# Altium PCB FluidGuard(TX).PcbDoc (part 1 of 2)
Units mm, origin at the board's own origin, x right, y up, seen from the top; angles counter-clockwise.
Board outline 60.05 x 100.05 mm, 4 copper layers (Top Layer, Mid Layer 1(GND), Mid Layer 2(GND), Bottom Layer), stack 1.586 mm thick; 109 components, 75 nets, 438 pads, 274 vias.
Unrouted connection lines stored in the file: 14.
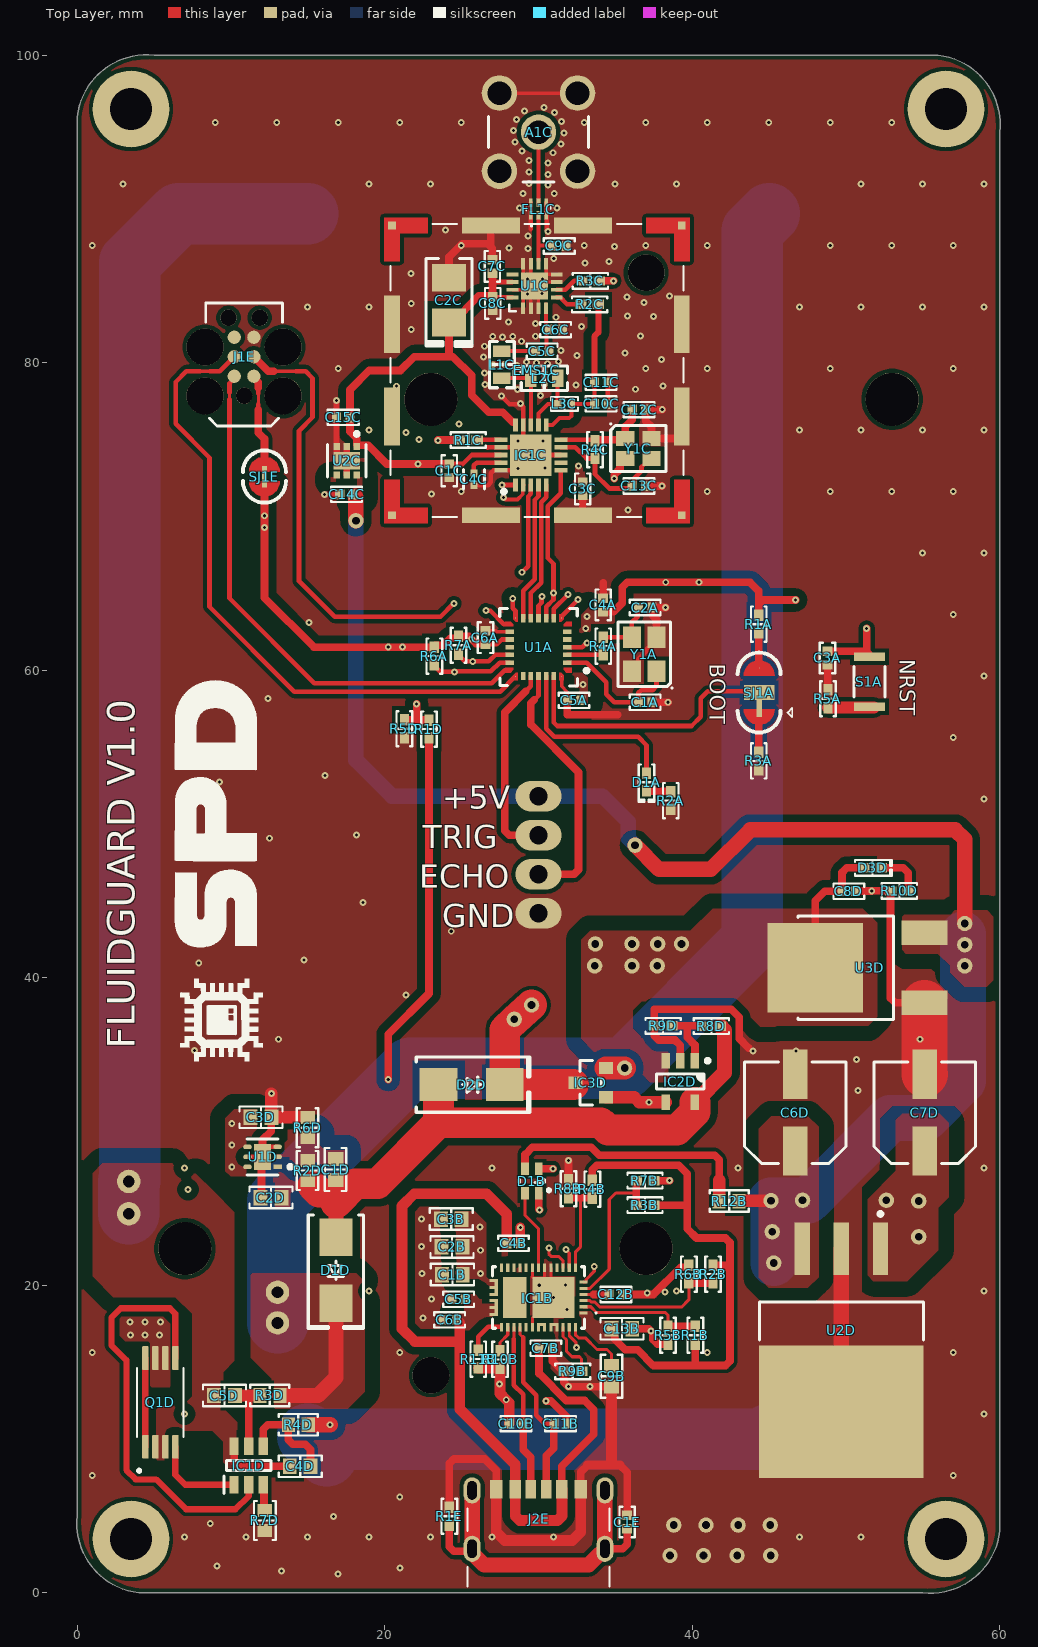
[diagram p0: Top Layer view]
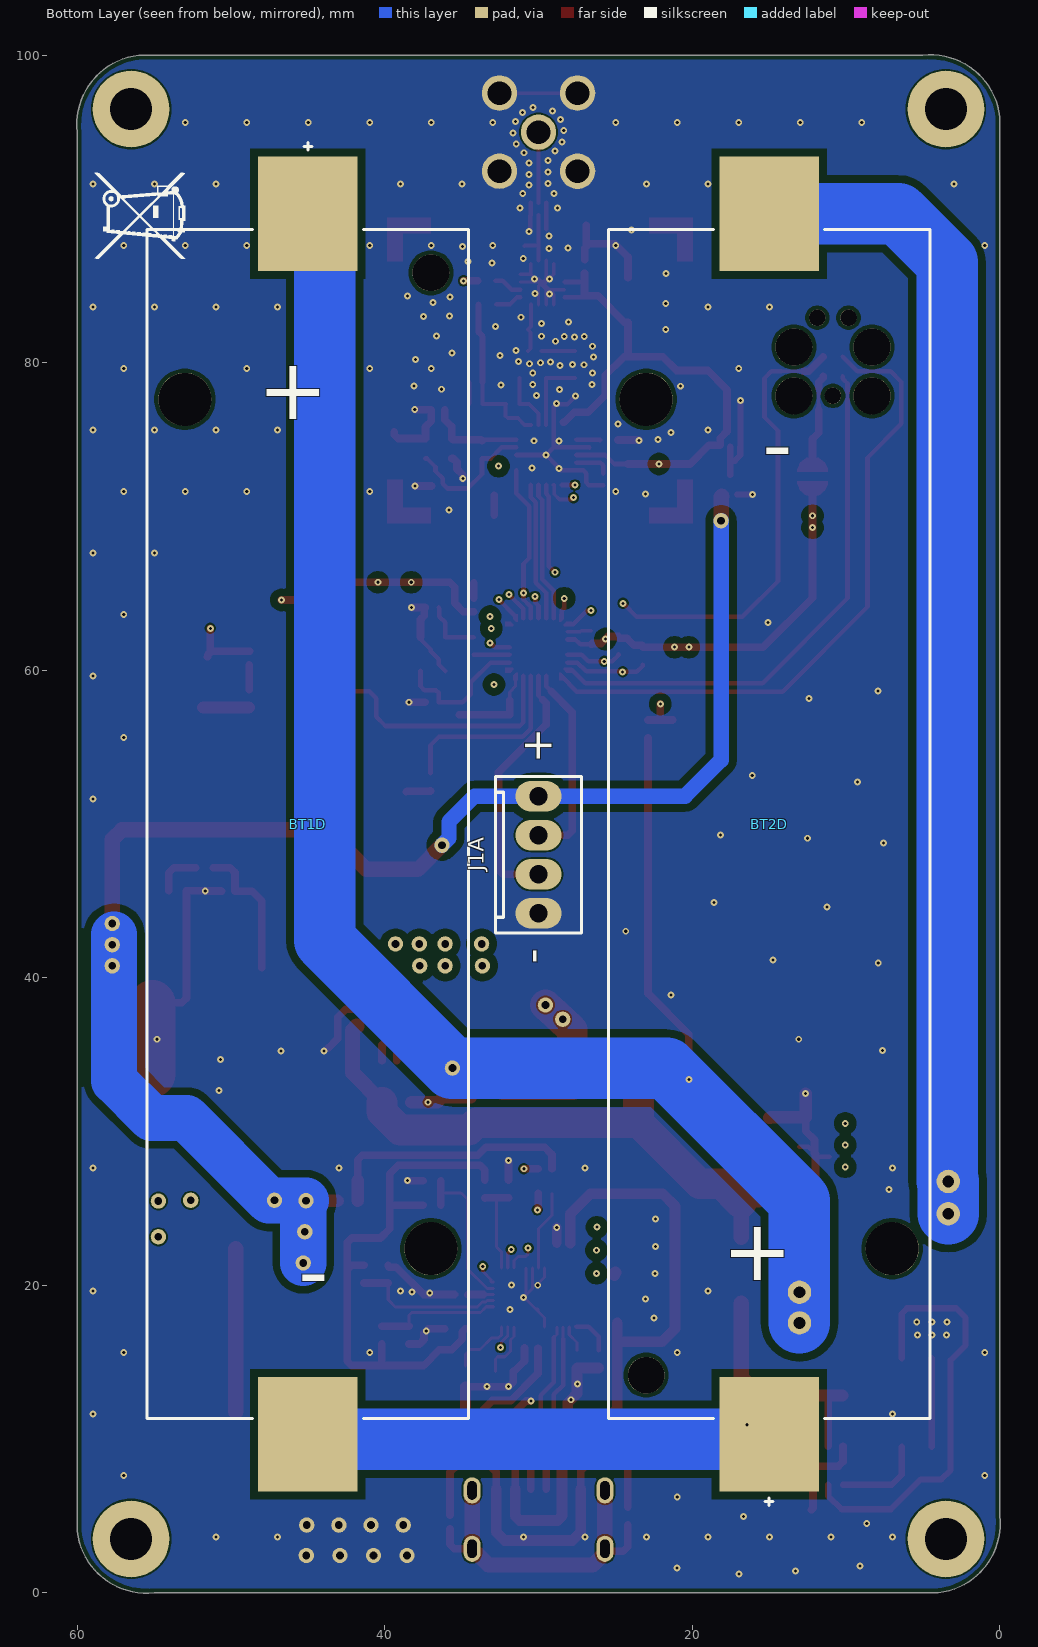
[diagram p1: Bottom Layer view, seen from below]
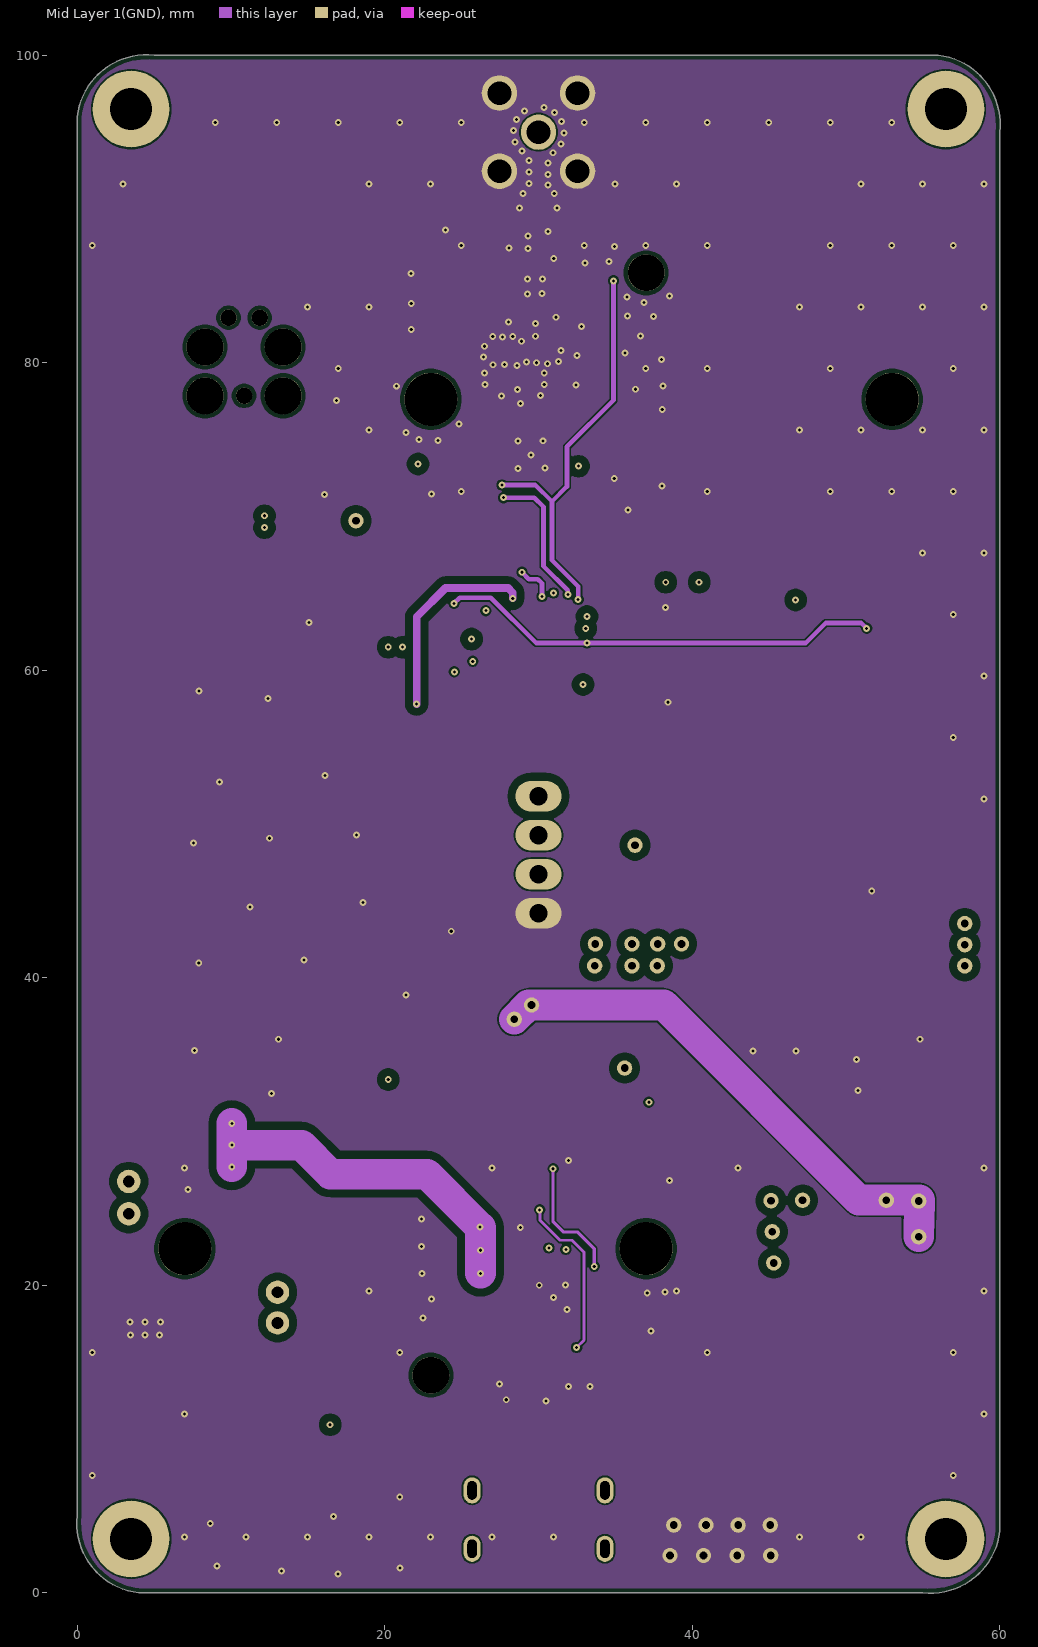
[diagram p2: Mid Layer 1(GND)]
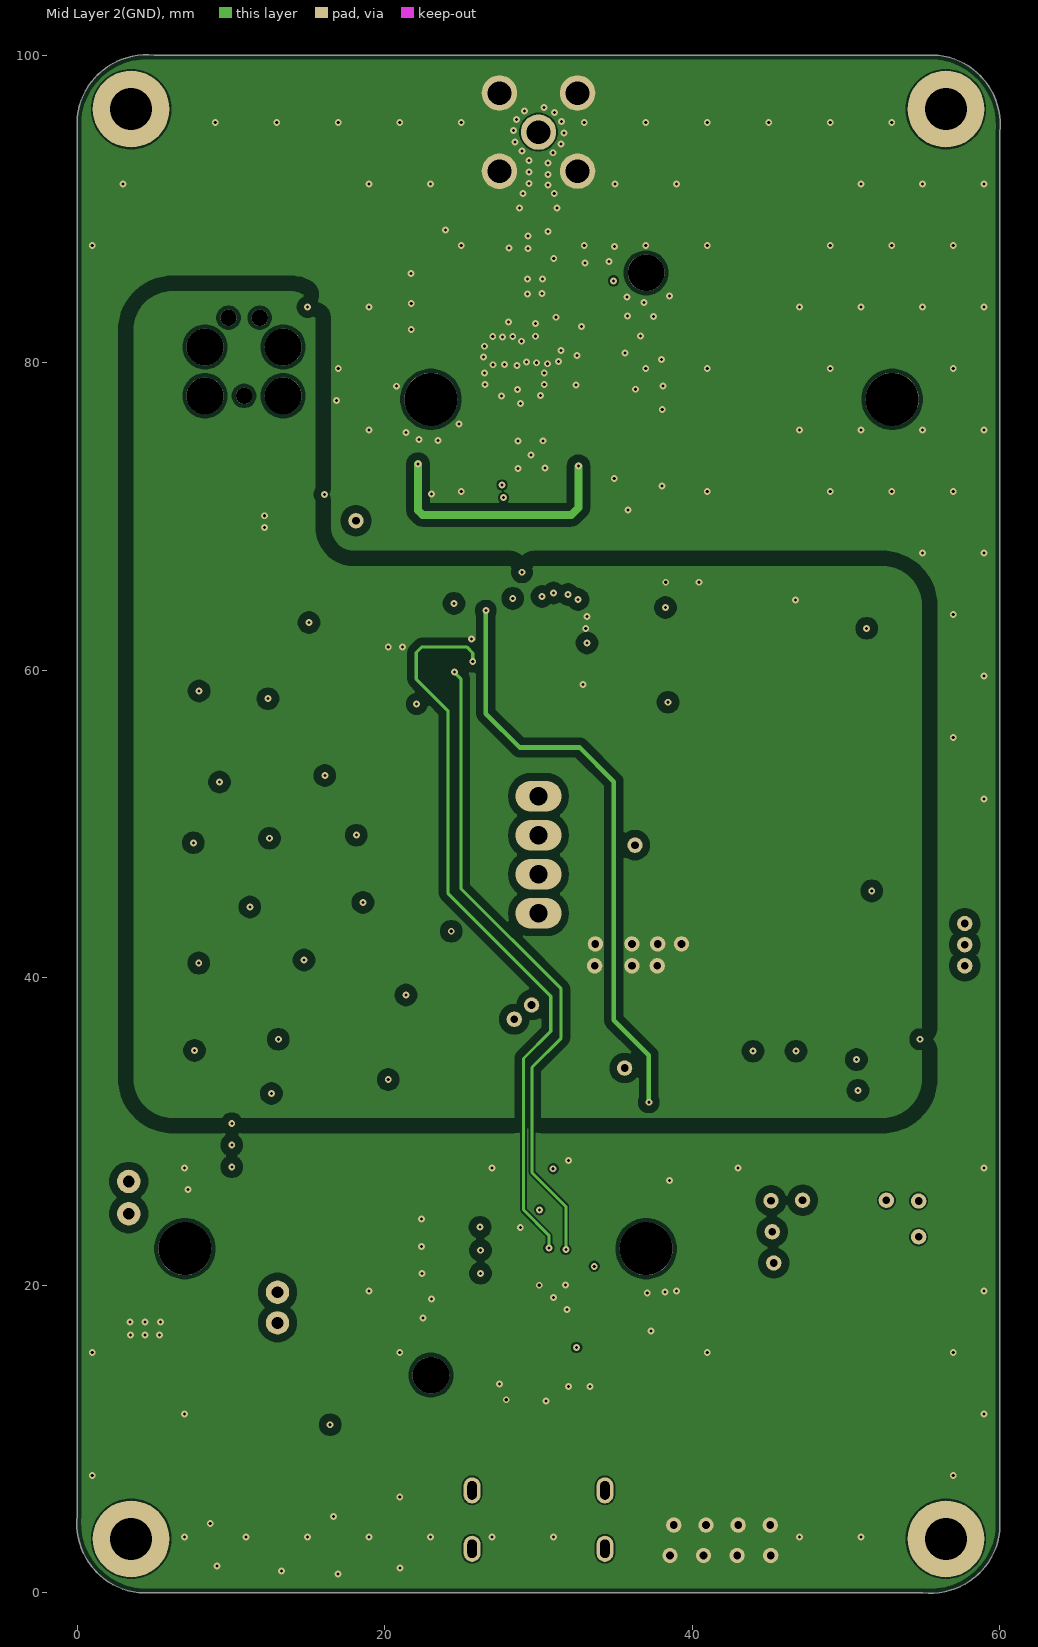
[diagram p3: Mid Layer 2(GND)]
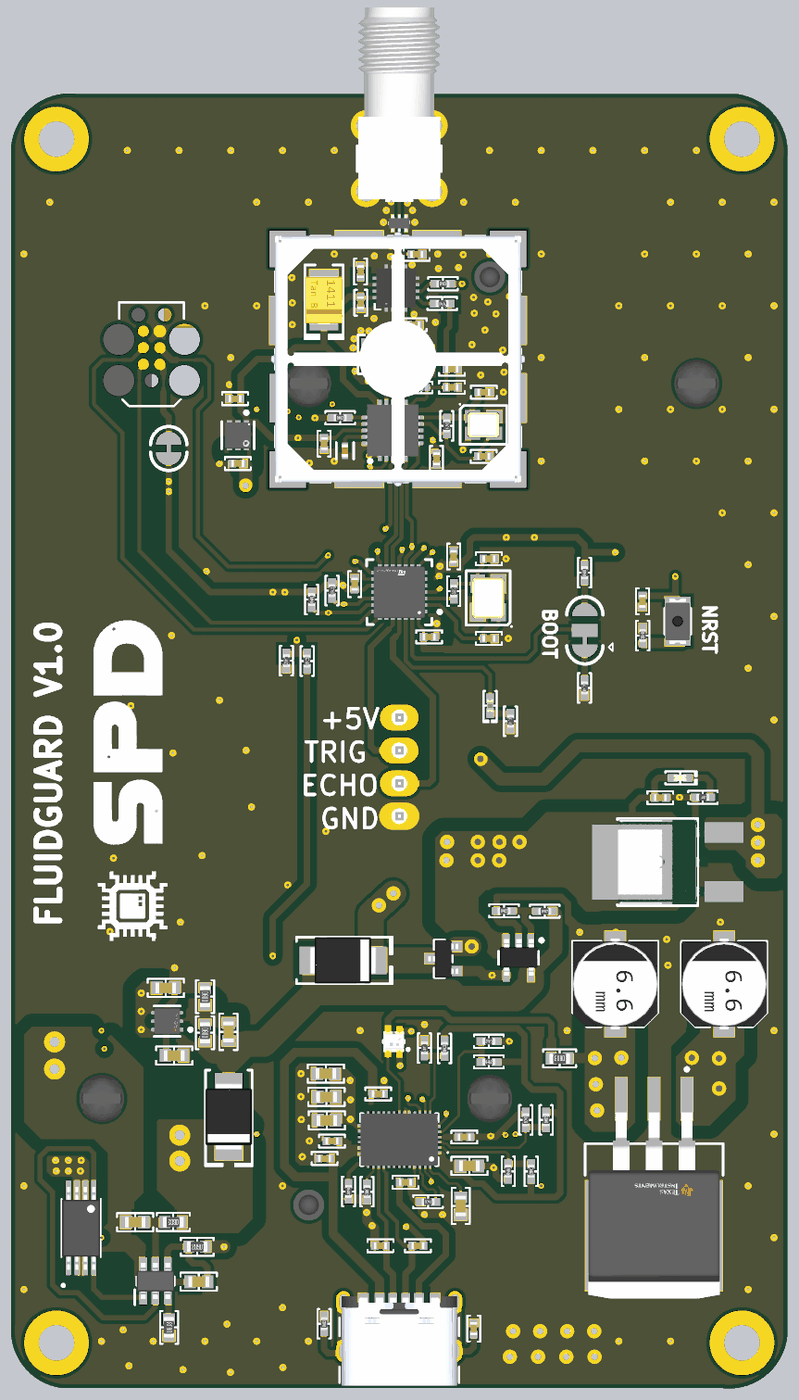
[diagram p5: 3D render of the assembled board from above, using the file's embedded part models]
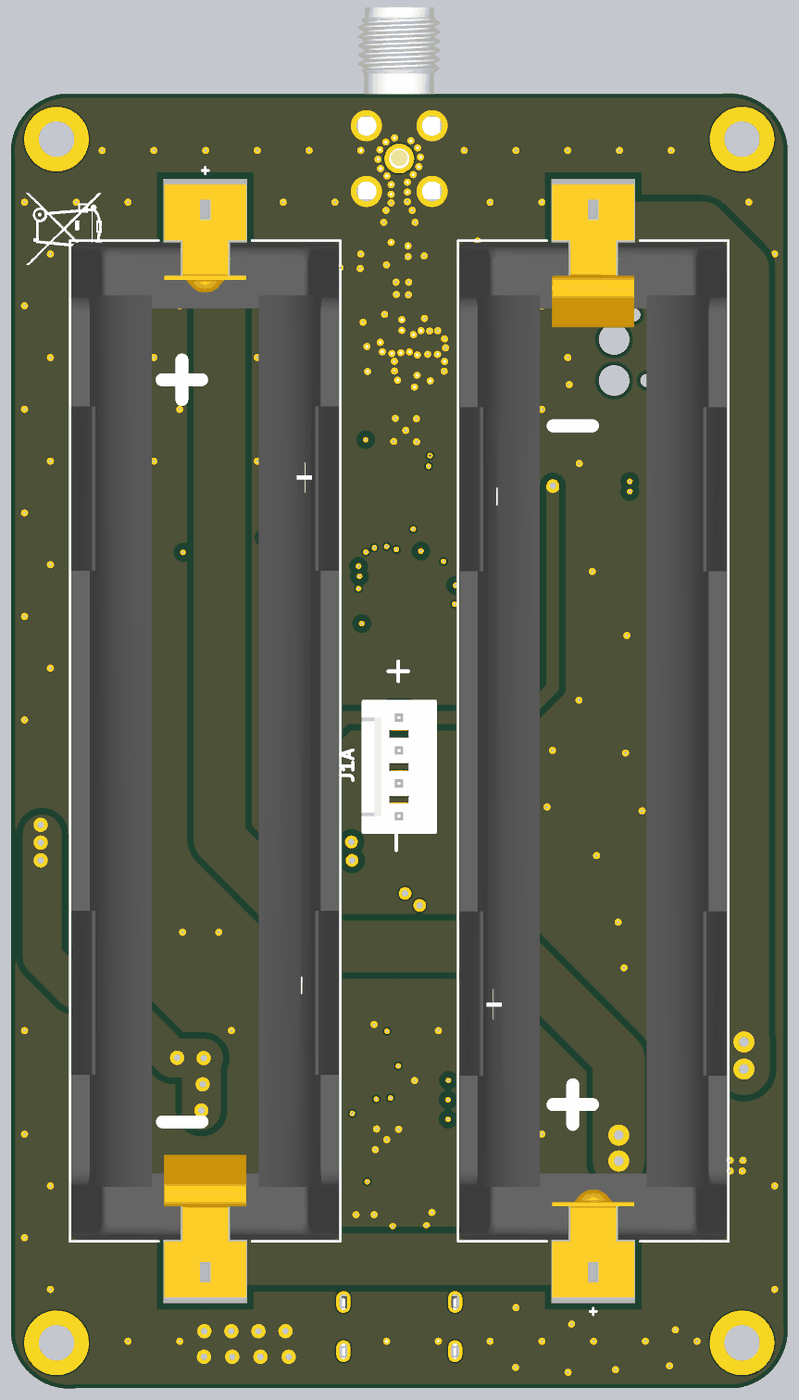
[diagram p6: 3D render of the assembled board from below, using the file's embedded part models]

## Layer stack, top to bottom
Top Solder: solder mask 0.0127, Solder Resist, Dk 3.8
Top Layer: signal copper 0.035
Dielectric 1: prepreg 0.2104, PP-023, Dk 4.4
Mid Layer 1(GND): signal copper 0.0152
Core: core 1.065, FR-4, Dk 4.6
Mid Layer 2(GND): signal copper 0.0152
Dielectric 2: prepreg 0.2104, PP-023, Dk 4.4
Bottom Layer: signal copper 0.035
Bottom Solder: solder mask 0.0127, Solder Resist, Dk 3.8

## Board outline
0,5 0,96 cw(c4.5,95.5) 5,100 56,100 cw(c55.5,95.5) 60,95 60,4 cw(c55.5,4.5) 55,0 4,0 cw(c4.5,4.5)

## Design rules (kind name [scope] priority, off if disabled: settings)
BoardOutlineClearance [All] p1: gap=0.3 ignorepadtopadclearanceinfootprint=FALSE
Clearance POLY [All vs InNetClass('PWR')] p1: gap=0.102 ignorepadtopadclearanceinfootprint=TRUE except(0.127: Arc-Via SMDPad-SMDPad SMDPad-THPad SMDPad-Via THPad-Via Via-Fill Via-Region Via-Text; 0.2: Track-SMDPad Track-THPad; 0.254: Arc-Hole Track-Via Track-Hole SMDPad-Hole THPad-THPad THPad-Hole Via-Via Via-Hole Fill-Hole Poly-Hole Region-Hole Text-Hole; 0.5: Arc-Poly Track-Poly SMDPad-Poly THPad-Poly Via-Poly Fill-Poly; 1: Poly-Poly)
Clearance Clearance_2 [InNamedPolygon('GND_L04_P032') vs InNetClass('PWR')] p2: gap=0.254 ignorepadtopadclearanceinfootprint=FALSE except(0.5: Arc-Poly Track-Poly SMDPad-Poly THPad-Poly Via-Poly Fill-Poly; 1: Poly-Poly)
Clearance Clearance_1 [InNamedPolygon('GND_L01_P030')] p3: gap=0.254 ignorepadtopadclearanceinfootprint=FALSE except(1: Poly-Poly)
Clearance "Stitching No Net" [IsStitchingVia and InNet('No Net') vs (IsVia and (Not IsStitchingVia)) Or IsPad] p4: gap=0.127 ignorepadtopadclearanceinfootprint=FALSE
Clearance 3V3 [InNamedPolygon('+3V3_L03_P031') vs OnLayer('Mid Layer 2(GND)')] p5: gap=0.254 ignorepadtopadclearanceinfootprint=FALSE except(1: Poly-Poly)
Clearance [All] p6: gap=0.102 ignorepadtopadclearanceinfootprint=TRUE except(0.127: Arc-Via SMDPad-SMDPad SMDPad-THPad SMDPad-Via THPad-Via Via-Fill Via-Poly Via-Region Via-Text; 0.2: Track-SMDPad Track-THPad; 0.254: Arc-Hole Track-Via Track-Hole SMDPad-Hole THPad-THPad THPad-Hole Via-Via Via-Hole Fill-Hole Poly-Hole Region-Hole Text-Hole)
ComponentClearance ComponentClearance_1 [All] p1: gap=0.254 collisioncheckmode=3 verticalgap=0.254 showdistances=FALSE
DiffPairsRouting [All] p1: maxlimit=0.102 minlimit=0.102 mostfreqgap=0.102 toplayer_minwidth=0.102 toplayer_maxwidth=1816.048 toplayer_prefwidth=0.102 midlayer1_minwidth=0.102 midlayer1_maxwidth=1816.048 midlayer1_prefwidth=0.102 midlayer2_minwidth=0.102 midlayer2_maxwidth=1816.048 midlayer2_prefwidth=0.102 bottomlayer_minwidth=0.102 bottomlayer_maxwidth=1816.048 bottomlayer_prefwidth=0.102 maxuncoupledlength=12.7
Height [All] p1: minheight=0 maxheight=1816.048 prefheight=12.7
HoleSize [All] p1: absolutevalues=TRUE maxlimit=6.3 minlimit=0.2 maxpercent=80.000 minpercent=20.000
HoleSize PadHoleSize [IsPad] p2: absolutevalues=TRUE maxlimit=6.3 minlimit=0.5 maxpercent=80.000 minpercent=20.000
HoleSize ViaHoleSize [IsVia] p3: absolutevalues=TRUE maxlimit=6.3 minlimit=0.2 maxpercent=80.000 minpercent=20.000
HoleToHoleClearance [All] p1: gap=0.254 allowstackedmicrovias=FALSE
MinimumAnnularRing [All] p1: minimumring=0.025
MinimumSolderMaskSliver [All] p1: minsoldermaskwidth=0.05
PermittedLayers [All] p1: toplayerpermitted=TRUE bottomlayerpermitted=TRUE
PlaneClearance [All] p1: clearance=0.102
PlaneConnect PlaneConnectPowerPads [InPadClass('PowerPads')] p1: planeconnectstyle=Direct reliefexpansion=0.508 reliefentries=4 reliefconductorwidth=0.254 reliefairgap=0.254
PlaneConnect [All] p2: pad.planeconnectstyle=Relief pad.reliefexpansion=0.3 pad.reliefentries=4 pad.reliefconductorwidth=0.102 pad.reliefairgap=0.102 via.planeconnectstyle=Direct via.reliefexpansion=0.3 via.reliefentries=4 via.reliefconductorwidth=0.127 via.reliefairgap=0.127
PolygonConnect PolygonConnect_6 [All vs IsNamedPolygon('GND_L01_P030')] p1: connectstyle=Direct reliefconductorwidth=0.254 reliefentries=4 polygonreliefangle="90 Angle" airgapwidth=0.254
PolygonConnect F [All vs IsNamedPolygon('+3V3_L01_P023') Or IsNamedPolygon('+3V3_L01_P024') Or IsNamedPolygon('+3V3_L01_P026') Or IsNamedPolygon('+3V3_L01_P027') Or IsNamedPolygon('+5V_L01_P020') Or IsNamedPolygon('+5V_L01_P025') Or IsNamedPolygon('+5V_L01_P029') Or IsNamedPolygon('BAT_L01_P017') Or IsNamedPolygon('BCOM_L01_P015') Or IsNamedPolygon('BCOM_L01_P018') Or IsNamedPolygon('GND_L01_P006') Or IsNamedPolygon('GND_L01_P009') Or IsNamedPolygon('GND_L01_P010') Or IsNamedPolygon('GND_L01_P016') Or IsNamedPolygon('GND_L01_P019') Or IsNamedPolygon('GND_L01_P022') Or IsNamedPolygon('LDO_3V3_L01_P011') Or IsNamedPolygon('NETC1D_1_L01_P013') Or IsNamedPolygon('NETC7D_1_L01_P021') Or IsNamedPolygon('RF_VDD_L01_P028') Or IsNamedPolygon('USB_L01_P007') Or IsNamedPolygon('USB_L01_P012') Or IsNamedPolygon('VBUS_L01_P004') Or IsNamedPolygon('VBUS_L01_P005') Or IsNamedPolygon('VBUS_L01_P008') Or IsNamedPolygon('VCC_L01_P014') Or IsNamedPolygon('GND_L02_P033') Or IsNamedPolygon('+3V3_L03_P031') Or IsNamedPolygon('GND_L03_P034') Or IsNamedPolygon('GND_L04_P032')] p2: connectstyle=Direct reliefconductorwidth=0.254 reliefentries=4 polygonreliefangle="90 Angle" airgapwidth=0.254
PolygonConnect DIR [All vs IsNamedPolygon('+3V3_L01_P023') Or IsNamedPolygon('+3V3_L01_P024') Or IsNamedPolygon('+3V3_L01_P026') Or IsNamedPolygon('+3V3_L01_P027') Or IsNamedPolygon('+5V_L01_P020') Or IsNamedPolygon('+5V_L01_P025') Or IsNamedPolygon('+5V_L01_P029') Or IsNamedPolygon('BAT_L01_P017') Or IsNamedPolygon('BCOM_L01_P015') Or IsNamedPolygon('BCOM_L01_P018') Or IsNamedPolygon('GND_L01_P006') Or IsNamedPolygon('GND_L01_P009') Or IsNamedPolygon('GND_L01_P010') Or IsNamedPolygon('GND_L01_P016') Or IsNamedPolygon('GND_L01_P019') Or IsNamedPolygon('GND_L01_P022') Or IsNamedPolygon('LDO_3V3_L01_P011') Or IsNamedPolygon('NETC1D_1_L01_P013') Or IsNamedPolygon('NETC7D_1_L01_P021') Or IsNamedPolygon('RF_VDD_L01_P028') Or IsNamedPolygon('USB_L01_P007') Or IsNamedPolygon('USB_L01_P012') Or IsNamedPolygon('VBUS_L01_P004') Or IsNamedPolygon('VBUS_L01_P005') Or IsNamedPolygon('VBUS_L01_P008') Or IsNamedPolygon('VCC_L01_P014')] p3: connectstyle=Direct reliefconductorwidth=0.254 reliefentries=4 polygonreliefangle="90 Angle" airgapwidth=0.254
PolygonConnect PolygonConnectPowerPads [All vs (InPadClass('PowerPads'))] p4: connectstyle=Direct reliefconductorwidth=0.254 reliefentries=4 polygonreliefangle="90 Angle" airgapwidth=0.254
PolygonConnect [All] p5: thpad.connectstyle=Relief thpad.reliefconductorwidth=0.102 thpad.reliefentries=4 thpad.polygonreliefangle="45 Angle" thpad.airgapwidth=0.102 smdpad.connectstyle=Relief smdpad.reliefconductorwidth=0.102 smdpad.reliefentries=4 smdpad.polygonreliefangle="45 Angle" smdpad.airgapwidth=0.102 via.connectstyle=Direct via.reliefconductorwidth=0.127 via.reliefentries=4 via.polygonreliefangle="90 Angle" via.airgapwidth=0.127
RoutingVias [All] p1: holewidth=0.2 width=0.45 viastyle="Through Hole" minholewidth=0.2 minwidth=0.45 maxholewidth=6.3 maxwidth=6.55
ShortCircuit JUMPER [InPadClass('JUMPER') vs InPadClass('JUMPER')] p1: allowed=TRUE
ShortCircuit [All] p2: allowed=FALSE
SilkToSilkClearance [All] p1: silktosilkclearance=0.127
SilkToSolderMaskClearance [IsPad] p1: minsilkscreentomaskgap=0.1 clearancetoexposedcopper=TRUE
SolderMaskExpansion [All] p1: expansion=0.051 istentingtop=FALSE
SupplyNets "Schematic Supply Nets_8" [InNet('RF_VDD')] p1: voltage=0.000
SupplyNets "Schematic Supply Nets_7" [InNet('USB')] p2: voltage=0.000
SupplyNets "Schematic Supply Nets_6" [InNet('VCC')] p3: voltage=0.000
SupplyNets "Schematic Supply Nets_5" [InNet('GND')] p4: voltage=0.000
SupplyNets "Schematic Supply Nets_4" [InNet('GNDS')] p5: voltage=0.000
SupplyNets "Schematic Supply Nets_3" [InNet('+5V')] p6: voltage=0.000
SupplyNets "Schematic Supply Nets_2" [InNet('VBUS')] p7: voltage=0.000
SupplyNets "Schematic Supply Nets_1" [InNet('BAT')] p8: voltage=0.000
SupplyNets "Schematic Supply Nets" [InNet('+3V3')] p9: voltage=0.000
UnRoutedNet [All] p1: checkbadconnections=TRUE
Width ANT [InNetClass('ANT')] p1: maxlimit=0.26 minlimit=0.181 preferedwidth=0.26 toplayer_minwidth=0.26 midlayer1_maxwidth=0.181 midlayer1_prefwidth=0.181 midlayer2_maxwidth=0.181 midlayer2_prefwidth=0.181 bottomlayer_minwidth=0.26 impedanceprofiledriven=TRUE impedanceprofileid={6E46B20A-B485-4CAC-BAAE-320F9CBE70F1} impedanceprofilevalue=50.000000 minimp=50.000000 maximp=50.000000 favimp=50.000000
Width Width_4mil [All] p2: maxlimit=25.4 minlimit=0.102 preferedwidth=0.102 minimp=50.000000 maximp=50.000000 favimp=50.000000
Width Width_6mil [All] p3: maxlimit=25.4 minlimit=0.152 preferedwidth=0.152 minimp=50.000000 maximp=50.000000 favimp=50.000000
Width Width_10mil [All] p4: maxlimit=25.4 minlimit=0.254 preferedwidth=0.254 minimp=50.000000 maximp=50.000000 favimp=50.000000
Width Power_12mil [All] p5: maxlimit=25.4 minlimit=0.305 preferedwidth=0.305 minimp=50.000000 maximp=50.000000 favimp=50.000000
Width Power_20mil [All] p6: maxlimit=25.4 minlimit=0.508 preferedwidth=0.508 minimp=50.000000 maximp=50.000000 favimp=50.000000
18 further rules are at their usual default settings.

## Classes and differential pairs
net class PWR: +3V3 +5V BAT BAT_MR BCOM BVC RF_VDD USB VBUS VCC VDD_PA
pad class JUMPER: SJ1A-1 SJ1A-2 SJ1A-3 SJ1A-J SJ1E-1 SJ1E-2 SJ1E-J
component class U_USB-PD: C1B C2B C3B C4B C5B C6B C7B C9B C10B C11B C12B C13B D1B IC1B R1B R2B R3B R4B R5B R6B R7B R8B R9B R10B R11B R12B
component class U_NRF2401: A1C C1C C2C C3C C4C C5C C6C C7C C8C C9C C10C C11C C12C C13C C14C C15C EMS1C FL1C IC1C L1C L2C L3C R1C R2C R3C R4C U1C U2C Y1C
component class U_Debug: C1E J1E J2E R1E SJ1E
component class U_BMS: BT1D BT2D C1D C2D C3D C4D C5D C6D C7D C8D D1D D2D D3D IC1D IC2D IC3D Q1D R1D R2D R3D R4D R5D R6D R7D R8D R9D R10D U1D U2D U3D
component class "Base IC": C1A C2A C3A C4A C5A C6A D1A J1A R1A R2A R3A R4A R5A R6A R7A S1A SJ1A U1A Y1A
